# Allegro board SDHCalFEB.brd (continued)
## Placement (name value [footprint] x y rotation side) (continued)
U630  BAV99W SOT323  [BAV99W_SOT323]  191.66 116.39 270 top
U631  BAV99W SOT323  [BAV99W_SOT323]  193.95 109.03 0 top
U632  BAV99W SOT323  [BAV99W_SOT323]  254.62 124.71 90 top
U633  BAV99W SOT323  [BAV99W_SOT323]  247.05 125.22 90 top
U634  BAV99W SOT323  [BAV99W_SOT323]  240.2 119.75 0 top
U635  BAV99W SOT323  [BAV99W_SOT323]  198.26 119.76 270 top
U636  BAV99W SOT323  [BAV99W_SOT323]  183.72 108.57 180 top
U637  BAV99W SOT323  [BAV99W_SOT323]  192.25 100.75 0 top
U638  BAV99W SOT323  [BAV99W_SOT323]  203.7 107.35 0 top
U639  BAV99W SOT323  [BAV99W_SOT323]  197.35 103.74 270 top
U640  BAV99W SOT323  [BAV99W_SOT323]  208.23 99.76 0 top
U641  BAV99W SOT323  [BAV99W_SOT323]  208.23 109.77 0 top
U642  BAV99W SOT323  [BAV99W_SOT323]  216.71 99.78 0 top
U643  BAV99W SOT323  [BAV99W_SOT323]  226.72 99.78 0 top
U644  BAV99W SOT323  [BAV99W_SOT323]  238.22 99.76 0 top
U645  BAV99W SOT323  [BAV99W_SOT323]  248.23 99.78 0 top
U646  BAV99W SOT323  [BAV99W_SOT323]  248.25 109.76 270 top
U647  BAV99W SOT323  [BAV99W_SOT323]  240.67 112.18 180 top
U648  BAV99W SOT323  [BAV99W_SOT323]  230.66 112.18 180 top
U649  BAV99W SOT323  [BAV99W_SOT323]  225.64 112.21 90 top
U650  MICROROC  [CQFP160Z0650]  203.58 150.5 270 top
U651  BAV99W SOT323  [BAV99W_SOT323]  169.19 160.52 180 top
U652  BAV99W SOT323  [BAV99W_SOT323]  166.74 174.65 270 top
U653  BAV99W SOT323  [BAV99W_SOT323]  164.63 166.16 90 top
U654  BAV99W SOT323  [BAV99W_SOT323]  162.22 170.68 90 top
U655  BAV99W SOT323  [BAV99W_SOT323]  154.62 166.19 90 top
U656  BAV99W SOT323  [BAV99W_SOT323]  144.31 173.71 270 top
U657  BAV99W SOT323  [BAV99W_SOT323]  144.61 166.16 90 top
U658  BAV99W SOT323  [BAV99W_SOT323]  142.18 170.68 90 top
U659  BAV99W SOT323  [BAV99W_SOT323]  130.71 168.62 180 top
U660  BAV99W SOT323  [BAV99W_SOT323]  130.66 177.08 180 top
U661  BAV99W SOT323  [BAV99W_SOT323]  125.2 177.08 180 top
U662  BAV99W SOT323  [BAV99W_SOT323]  123.7 168.59 180 top
U663  BAV99W SOT323  [BAV99W_SOT323]  112.2 170.69 270 top
U664  BAV99W SOT323  [BAV99W_SOT323]  105.21 172.2 180 top
U665  BAV99W SOT323  [BAV99W_SOT323]  119.69 154.62 180 top
U666  BAV99W SOT323  [BAV99W_SOT323]  116.15 158.25 0 top
U667  BAV99W SOT323  [BAV99W_SOT323]  106.18 164.63 180 top
U668  BAV99W SOT323  [BAV99W_SOT323]  102.28 156.96 0 top
U669  BAV99W SOT323  [BAV99W_SOT323]  111.15 154.62 180 top
U670  BAV99W SOT323  [BAV99W_SOT323]  106.2 156.1 180 top
U671  BAV99W SOT323  [BAV99W_SOT323]  103.7 148.96 0 top
U672  BAV99W SOT323  [BAV99W_SOT323]  162.13 156.15 180 top
U673  BAV99W SOT323  [BAV99W_SOT323]  166.2 153.15 180 top
U674  BAV99W SOT323  [BAV99W_SOT323]  169.19 146.72 0 top
U675  BAV99W SOT323  [BAV99W_SOT323]  110.15 145.37 270 top
U676  BAV99W SOT323  [BAV99W_SOT323]  116.86 140.6 0 top
U677  BAV99W SOT323  [BAV99W_SOT323]  172.68 153.12 270 top
U678  BAV99W SOT323  [BAV99W_SOT323]  166.33 142.97 90 top
U679  BAV99W SOT323  [BAV99W_SOT323]  171.46 142.98 270 top
U680  BAV99W SOT323  [BAV99W_SOT323]  106.57 143.49 270 top
U681  BAV99W SOT323  [BAV99W_SOT323]  98.74 144.91 270 top
U682  BAV99W SOT323  [BAV99W_SOT323]  100.52 138.97 270 top
U683  BAV99W SOT323  [BAV99W_SOT323]  99.76 136.15 270 top
U684  BAV99W SOT323  [BAV99W_SOT323]  99.78 129.21 270 top
U685  BAV99W SOT323  [BAV99W_SOT323]  105.83 132.21 270 top
U686  BAV99W SOT323  [BAV99W_SOT323]  107.56 129.24 270 top
U687  BAV99W SOT323  [BAV99W_SOT323]  172.22 133.71 270 top
U688  BAV99W SOT323  [BAV99W_SOT323]  165.14 137.89 90 top
U689  BAV99W SOT323  [BAV99W_SOT323]  167.03 134.81 180 top
U690  BAV99W SOT323  [BAV99W_SOT323]  115.13 132.19 270 top
U691  BAV99W SOT323  [BAV99W_SOT323]  99.81 126.14 270 top
U692  BAV99W SOT323  [BAV99W_SOT323]  98.92 119.21 270 top
U693  BAV99W SOT323  [BAV99W_SOT323]  105.6 113.71 90 top
U694  BAV99W SOT323  [BAV99W_SOT323]  107.3 120.7 270 top
U695  BAV99W SOT323  [BAV99W_SOT323]  111.85 116.54 270 top
U696  BAV99W SOT323  [BAV99W_SOT323]  113.94 109.05 0 top
U697  BAV99W SOT323  [BAV99W_SOT323]  172.2 125.23 270 top
U698  BAV99W SOT323  [BAV99W_SOT323]  167.04 125.22 90 top
U699  BAV99W SOT323  [BAV99W_SOT323]  160.83 119.77 0 top
U700  BAV99W SOT323  [BAV99W_SOT323]  118.25 119.74 270 top
U701  BAV99W SOT323  [BAV99W_SOT323]  103.74 108.55 180 top
U702  BAV99W SOT323  [BAV99W_SOT323]  107.35 103.74 270 top
U703  BAV99W SOT323  [BAV99W_SOT323]  123.72 107.33 0 top
U704  BAV99W SOT323  [BAV99W_SOT323]  117.34 103.74 270 top
U705  BAV99W SOT323  [BAV99W_SOT323]  128.24 99.78 0 top
U706  BAV99W SOT323  [BAV99W_SOT323]  128.24 109.79 0 top
U707  BAV99W SOT323  [BAV99W_SOT323]  136.75 99.78 0 top
U708  BAV99W SOT323  [BAV99W_SOT323]  146.73 99.78 0 top
U709  BAV99W SOT323  [BAV99W_SOT323]  158.24 99.78 0 top
U710  BAV99W SOT323  [BAV99W_SOT323]  168.27 99.78 0 top
U711  BAV99W SOT323  [BAV99W_SOT323]  168.24 109.76 270 top
U712  BAV99W SOT323  [BAV99W_SOT323]  160.68 112.2 180 top
U713  BAV99W SOT323  [BAV99W_SOT323]  149.18 112.18 180 top
U714  BAV99W SOT323  [BAV99W_SOT323]  145.66 112.19 90 top
U715  MICROROC  [CQFP160Z0650]  123.57 150.5 270 top
U716  BAV99W SOT323  [BAV99W_SOT323]  89.18 160.54 180 top
U717  BAV99W SOT323  [BAV99W_SOT323]  86.78 174.63 270 top
U718  BAV99W SOT323  [BAV99W_SOT323]  84.62 166.14 90 top
U719  BAV99W SOT323  [BAV99W_SOT323]  82.18 170.68 90 top
U720  BAV99W SOT323  [BAV99W_SOT323]  74.61 166.16 90 top
U721  BAV99W SOT323  [BAV99W_SOT323]  66.73 176.11 180 top
U722  BAV99W SOT323  [BAV99W_SOT323]  64.63 166.16 90 top
U723  BAV99W SOT323  [BAV99W_SOT323]  62.19 170.68 90 top
U724  BAV99W SOT323  [BAV99W_SOT323]  52.2 168.57 180 top
U725  BAV99W SOT323  [BAV99W_SOT323]  50.65 177.08 180 top
U726  BAV99W SOT323  [BAV99W_SOT323]  43.72 177.05 180 top
U727  BAV99W SOT323  [BAV99W_SOT323]  42.22 168.57 180 top
U730  BAV99W SOT323  [BAV99W_SOT323]  39.7 154.62 180 top
U733  BAV99W SOT323  [BAV99W_SOT323]  35.04 156.56 90 top
U736  BAV99W SOT323  [BAV99W_SOT323]  27.42 157.71 270 top
U737  BAV99W SOT323  [BAV99W_SOT323]  82.43 156.15 180 top
U738  BAV99W SOT323  [BAV99W_SOT323]  86.19 153.15 180 top
U739  BAV99W SOT323  [BAV99W_SOT323]  90.66 151.65 180 top
U740  BAV99W SOT323  [BAV99W_SOT323]  26.23 154.58 90 top
U741  BAV99W SOT323  [BAV99W_SOT323]  18.73 156.04 270 top
U742  BAV99W SOT323  [BAV99W_SOT323]  92.65 154.94 270 top
U743  BAV99W SOT323  [BAV99W_SOT323]  82.2 148.04 180 top
U744  BAV99W SOT323  [BAV99W_SOT323]  89.78 143.21 270 top
U746  BAV99W SOT323  [BAV99W_SOT323]  26.57 141.24 180 top
U749  BAV99W SOT323  [BAV99W_SOT323]  26.77 133.74 0 top
U751  BAV99W SOT323  [BAV99W_SOT323]  19.44 118.29 270 top
U752  BAV99W SOT323  [BAV99W_SOT323]  93.15 136.13 180 top
U753  BAV99W SOT323  [BAV99W_SOT323]  84.61 137.66 180 top
U754  BAV99W SOT323  [BAV99W_SOT323]  89.71 127.83 0 top
U755  BAV99W SOT323  [BAV99W_SOT323]  26.91 118.28 90 top
U757  BAV99W SOT323  [BAV99W_SOT323]  27.37 115.27 270 top
U760  BAV99W SOT323  [BAV99W_SOT323]  34.86 116.35 90 top
U762  BAV99W SOT323  [BAV99W_SOT323]  92.24 123.73 270 top
U763  BAV99W SOT323  [BAV99W_SOT323]  87.08 123.72 90 top
U764  BAV99W SOT323  [BAV99W_SOT323]  80.95 119.8 0 top
U765  BAV99W SOT323  [BAV99W_SOT323]  38.27 119.74 270 top
U768  BAV99W SOT323  [BAV99W_SOT323]  43.71 107.35 0 top
U769  BAV99W SOT323  [BAV99W_SOT323]  37.35 103.74 270 top
U770  BAV99W SOT323  [BAV99W_SOT323]  48.23 99.78 0 top
U771  BAV99W SOT323  [BAV99W_SOT323]  48.23 109.79 0 top
U772  BAV99W SOT323  [BAV99W_SOT323]  58.24 99.78 0 top
U773  BAV99W SOT323  [BAV99W_SOT323]  68.22 99.78 0 top
U774  BAV99W SOT323  [BAV99W_SOT323]  78.23 99.78 0 top
U775  BAV99W SOT323  [BAV99W_SOT323]  88.24 99.78 0 top
U776  BAV99W SOT323  [BAV99W_SOT323]  88.28 109.76 270 top
U777  BAV99W SOT323  [BAV99W_SOT323]  80.67 112.18 180 top
U778  BAV99W SOT323  [BAV99W_SOT323]  69.19 112.18 180 top
U779  BAV99W SOT323  [BAV99W_SOT323]  65.62 112.19 90 top
U780  MICROROC  [CQFP160Z0650]  43.56 150.5 270 top
U781  BAV99W SOT323  [BAV99W_SOT323]  329.19 80.53 180 top
U782  BAV99W SOT323  [BAV99W_SOT323]  326.76 94.64 270 top
U783  BAV99W SOT323  [BAV99W_SOT323]  324.62 86.15 90 top
U784  BAV99W SOT323  [BAV99W_SOT323]  322.19 90.67 90 top
U785  BAV99W SOT323  [BAV99W_SOT323]  314.62 86.18 90 top
U786  BAV99W SOT323  [BAV99W_SOT323]  312.2 90.67 90 top
U787  BAV99W SOT323  [BAV99W_SOT323]  304.61 86.15 90 top
U788  BAV99W SOT323  [BAV99W_SOT323]  302.17 90.65 90 top
U789  BAV99W SOT323  [BAV99W_SOT323]  290.68 88.61 180 top
U790  BAV99W SOT323  [BAV99W_SOT323]  290.68 97.04 180 top
U791  BAV99W SOT323  [BAV99W_SOT323]  283.72 97.07 180 top
U792  BAV99W SOT323  [BAV99W_SOT323]  283.7 88.58 180 top
U793  BAV99W SOT323  [BAV99W_SOT323]  272.2 90.66 270 top
U794  BAV99W SOT323  [BAV99W_SOT323]  263.73 92.19 180 top
U795  BAV99W SOT323  [BAV99W_SOT323]  279.71 74.61 180 top
U796  BAV99W SOT323  [BAV99W_SOT323]  276.12 78.24 0 top
U797  BAV99W SOT323  [BAV99W_SOT323]  266.15 84.62 180 top
U798  BAV99W SOT323  [BAV99W_SOT323]  261.26 76.82 0 top
U799  BAV99W SOT323  [BAV99W_SOT323]  271.17 74.61 180 top
U800  BAV99W SOT323  [BAV99W_SOT323]  266.17 76.06 180 top
U801  BAV99W SOT323  [BAV99W_SOT323]  263.8 68.97 0 top
U802  BAV99W SOT323  [BAV99W_SOT323]  320.5 76.14 180 top
U803  BAV99W SOT323  [BAV99W_SOT323]  326.19 73.11 180 top
U804  BAV99W SOT323  [BAV99W_SOT323]  332.93 69.95 90 top
U805  BAV99W SOT323  [BAV99W_SOT323]  270.24 65.46 270 top
U806  BAV99W SOT323  [BAV99W_SOT323]  277.01 60.57 0 top
U807  BAV99W SOT323  [BAV99W_SOT323]  326.96 66.11 90 top
U808  BAV99W SOT323  [BAV99W_SOT323]  327.09 60.7 90 top
U809  BAV99W SOT323  [BAV99W_SOT323]  334.61 58.24 90 top
U810  BAV99W SOT323  [BAV99W_SOT323]  266.56 63.43 270 top
U811  BAV99W SOT323  [BAV99W_SOT323]  259.04 64.88 270 top
U812  BAV99W SOT323  [BAV99W_SOT323]  260.54 58.98 270 top
U813  BAV99W SOT323  [BAV99W_SOT323]  261.25 56.21 270 top
U815  BAV99W SOT323  [BAV99W_SOT323]  267.35 53.72 270 top
U820  BAV99W SOT323  [BAV99W_SOT323]  275.63 52.45 270 top
U821  BAV99W SOT323  [BAV99W_SOT323]  259.78 46.16 270 top
U824  BAV99W SOT323  [BAV99W_SOT323]  267.35 43.72 270 top
U830  BAV99W SOT323  [BAV99W_SOT323]  278.24 39.78 270 top
U831  BAV99W SOT323  [BAV99W_SOT323]  278.51 35.27 180 top
U832  BAV99W SOT323  [BAV99W_SOT323]  281.4 27.83 0 top
U833  BAV99W SOT323  [BAV99W_SOT323]  278.24 27.01 180 top
U834  BAV99W SOT323  [BAV99W_SOT323]  281.25 19.82 0 top
U835  BAV99W SOT323  [BAV99W_SOT323]  287.03 20.7 270 top
U836  BAV99W SOT323  [BAV99W_SOT323]  294.32 20.72 90 top
U837  BAV99W SOT323  [BAV99W_SOT323]  304.49 15.91 0 top
U838  BAV99W SOT323  [BAV99W_SOT323]  302.67 23.58 180 top
U839  BAV99W SOT323  [BAV99W_SOT323]  305.79 24.42 0 top
U840  BAV99W SOT323  [BAV99W_SOT323]  303.76 31.99 180 top
U845  MICROROC  [CQFP160Z0650]  283.59 70.49 270 top
U846  BAV99W SOT323  [BAV99W_SOT323]  249.18 80.53 180 top
U847  BAV99W SOT323  [BAV99W_SOT323]  246.75 94.64 270 top
U848  BAV99W SOT323  [BAV99W_SOT323]  244.61 86.15 90 top
U849  BAV99W SOT323  [BAV99W_SOT323]  242.18 90.67 90 top
U850  BAV99W SOT323  [BAV99W_SOT323]  234.61 86.15 90 top
U851  BAV99W SOT323  [BAV99W_SOT323]  232.19 90.67 90 top
U852  BAV99W SOT323  [BAV99W_SOT323]  224.62 86.15 90 top
U853  BAV99W SOT323  [BAV99W_SOT323]  222.19 90.67 90 top
U854  BAV99W SOT323  [BAV99W_SOT323]  212.2 88.58 180 top
U855  BAV99W SOT323  [BAV99W_SOT323]  210.7 97.07 180 top
U856  BAV99W SOT323  [BAV99W_SOT323]  203.71 97.07 180 top
U857  BAV99W SOT323  [BAV99W_SOT323]  202.21 88.58 180 top
U858  BAV99W SOT323  [BAV99W_SOT323]  192.21 90.66 270 top
U859  BAV99W SOT323  [BAV99W_SOT323]  185.2 92.19 180 top
U860  BAV99W SOT323  [BAV99W_SOT323]  199.7 74.61 180 top
U861  BAV99W SOT323  [BAV99W_SOT323]  196.13 78.24 0 top
U862  BAV99W SOT323  [BAV99W_SOT323]  186.16 84.62 180 top
U863  BAV99W SOT323  [BAV99W_SOT323]  183 76.85 0 top
U864  BAV99W SOT323  [BAV99W_SOT323]  191.19 74.59 180 top
U865  BAV99W SOT323  [BAV99W_SOT323]  186.19 76.11 180 top
U866  BAV99W SOT323  [BAV99W_SOT323]  182.27 68.85 0 top
U867  BAV99W SOT323  [BAV99W_SOT323]  240.14 76.14 180 top
U868  BAV99W SOT323  [BAV99W_SOT323]  246.21 73.11 180 top
U869  BAV99W SOT323  [BAV99W_SOT323]  254.11 70.68 90 top
U870  BAV99W SOT323  [BAV99W_SOT323]  189.88 65.41 270 top
U871  BAV99W SOT323  [BAV99W_SOT323]  197.35 60.69 0 top
U872  BAV99W SOT323  [BAV99W_SOT323]  252.34 66.72 90 top
U873  BAV99W SOT323  [BAV99W_SOT323]  242.37 65.42 180 top
U874  BAV99W SOT323  [BAV99W_SOT323]  252.92 62.96 90 top
U875  BAV99W SOT323  [BAV99W_SOT323]  186.55 63.45 270 top
U876  BAV99W SOT323  [BAV99W_SOT323]  179.06 64.67 270 top
U877  BAV99W SOT323  [BAV99W_SOT323]  180.53 58.98 270 top
U878  BAV99W SOT323  [BAV99W_SOT323]  181.27 56.19 270 top
U880  BAV99W SOT323  [BAV99W_SOT323]  187.36 53.72 270 top
U885  BAV99W SOT323  [BAV99W_SOT323]  195.03 52.76 270 top
U886  BAV99W SOT323  [BAV99W_SOT323]  179.79 46.16 270 top
U889  BAV99W SOT323  [BAV99W_SOT323]  187.36 43.72 270 top
U895  BAV99W SOT323  [BAV99W_SOT323]  198.26 39.78 270 top
U896  BAV99W SOT323  [BAV99W_SOT323]  198.58 35.19 180 top
U897  BAV99W SOT323  [BAV99W_SOT323]  197.61 27.7 0 top
U898  BAV99W SOT323  [BAV99W_SOT323]  200.61 26.86 180 top
U899  BAV99W SOT323  [BAV99W_SOT323]  199.06 19.27 0 top
U900  BAV99W SOT323  [BAV99W_SOT323]  206.87 21.31 270 top
U901  BAV99W SOT323  [BAV99W_SOT323]  214.46 21.33 90 top
U902  BAV99W SOT323  [BAV99W_SOT323]  224.3 16.52 0 top
U903  BAV99W SOT323  [BAV99W_SOT323]  222.33 24.14 180 top
U904  BAV99W SOT323  [BAV99W_SOT323]  225.29 24.6 0 top
U905  BAV99W SOT323  [BAV99W_SOT323]  223.14 32.09 180 top
U910  MICROROC  [CQFP160Z0650]  203.58 70.49 270 top
U911  BAV99W SOT323  [BAV99W_SOT323]  169.19 80.56 180 top
U912  BAV99W SOT323  [BAV99W_SOT323]  166.79 94.64 270 top
U913  BAV99W SOT323  [BAV99W_SOT323]  164.6 86.18 90 top
U914  BAV99W SOT323  [BAV99W_SOT323]  162.19 90.67 90 top
U915  BAV99W SOT323  [BAV99W_SOT323]  154.62 86.13 90 top
U916  BAV99W SOT323  [BAV99W_SOT323]  152.16 90.67 90 top
U917  BAV99W SOT323  [BAV99W_SOT323]  144.59 86.15 90 top
U918  BAV99W SOT323  [BAV99W_SOT323]  142.15 90.67 90 top
U919  BAV99W SOT323  [BAV99W_SOT323]  132.21 88.58 180 top
U920  BAV99W SOT323  [BAV99W_SOT323]  130.66 97.07 180 top
U921  BAV99W SOT323  [BAV99W_SOT323]  123.73 97.04 180 top
U922  BAV99W SOT323  [BAV99W_SOT323]  122.2 88.56 180 top
U923  BAV99W SOT323  [BAV99W_SOT323]  112.23 90.68 270 top
U924  BAV99W SOT323  [BAV99W_SOT323]  105.21 92.19 180 top
U925  BAV99W SOT323  [BAV99W_SOT323]  119.71 74.64 180 top
U926  BAV99W SOT323  [BAV99W_SOT323]  116.12 78.24 0 top
U927  BAV99W SOT323  [BAV99W_SOT323]  106.15 84.59 180 top
U928  BAV99W SOT323  [BAV99W_SOT323]  101.44 76.9 0 top
U929  BAV99W SOT323  [BAV99W_SOT323]  111.18 74.59 180 top
U930  BAV99W SOT323  [BAV99W_SOT323]  104.68 76.06 180 top
U931  BAV99W SOT323  [BAV99W_SOT323]  102.28 68.9 0 top
U932  BAV99W SOT323  [BAV99W_SOT323]  161.29 76.14 180 top
U933  BAV99W SOT323  [BAV99W_SOT323]  166.17 73.11 180 top
U934  BAV99W SOT323  [BAV99W_SOT323]  174.1 70.68 90 top
U935  BAV99W SOT323  [BAV99W_SOT323]  110.12 65.43 270 top
U936  BAV99W SOT323  [BAV99W_SOT323]  117.47 60.62 0 top
U937  BAV99W SOT323  [BAV99W_SOT323]  169.66 66.8 90 top
U938  BAV99W SOT323  [BAV99W_SOT323]  166.33 62.99 90 top
U939  BAV99W SOT323  [BAV99W_SOT323]  174.84 62.99 90 top
U940  BAV99W SOT323  [BAV99W_SOT323]  106.57 63.45 270 top
U941  BAV99W SOT323  [BAV99W_SOT323]  99.07 64.77 270 top
U942  BAV99W SOT323  [BAV99W_SOT323]  100.55 58.98 270 top
U943  BAV99W SOT323  [BAV99W_SOT323]  101.26 54.69 270 top
U945  BAV99W SOT323  [BAV99W_SOT323]  107.35 53.72 270 top
U950  BAV99W SOT323  [BAV99W_SOT323]  115.71 52.1 270 top
U951  BAV99W SOT323  [BAV99W_SOT323]  99.78 46.16 270 top
U954  BAV99W SOT323  [BAV99W_SOT323]  107.35 43.72 270 top
U960  BAV99W SOT323  [BAV99W_SOT323]  118.28 39.78 270 top
U961  BAV99W SOT323  [BAV99W_SOT323]  118.95 34.79 180 top
U962  BAV99W SOT323  [BAV99W_SOT323]  117.62 27.32 0 top
U963  BAV99W SOT323  [BAV99W_SOT323]  120.53 26 180 top
U964  BAV99W SOT323  [BAV99W_SOT323]  119.05 18.55 0 top
U965  BAV99W SOT323  [BAV99W_SOT323]  126.78 19.71 270 top
U966  BAV99W SOT323  [BAV99W_SOT323]  134.25 19.78 90 top
U967  BAV99W SOT323  [BAV99W_SOT323]  141.91 16.14 0 top
U968  BAV99W SOT323  [BAV99W_SOT323]  141.81 23.56 180 top
U969  BAV99W SOT323  [BAV99W_SOT323]  144.67 24.83 0 top
U970  BAV99W SOT323  [BAV99W_SOT323]  143.44 32.27 180 top
U975  MICROROC  [CQFP160Z0650]  123.57 70.49 270 top
U976  BAV99W SOT323  [BAV99W_SOT323]  89.18 80.53 180 top
U977  BAV99W SOT323  [BAV99W_SOT323]  86.75 94.64 270 top
U978  BAV99W SOT323  [BAV99W_SOT323]  84.59 86.15 90 top
U979  BAV99W SOT323  [BAV99W_SOT323]  82.16 90.67 90 top
U980  BAV99W SOT323  [BAV99W_SOT323]  74.61 86.13 90 top
U981  BAV99W SOT323  [BAV99W_SOT323]  72.17 90.67 90 top
U982  BAV99W SOT323  [BAV99W_SOT323]  64.6 86.13 90 top
U983  BAV99W SOT323  [BAV99W_SOT323]  62.17 90.65 90 top
U984  BAV99W SOT323  [BAV99W_SOT323]  52.2 88.58 180 top
U985  BAV99W SOT323  [BAV99W_SOT323]  50.68 97.04 180 top
U986  BAV99W SOT323  [BAV99W_SOT323]  43.72 97.07 180 top
U987  BAV99W SOT323  [BAV99W_SOT323]  42.19 88.58 180 top
U990  BAV99W SOT323  [BAV99W_SOT323]  39.2 77.05 180 top
U993  BAV99W SOT323  [BAV99W_SOT323]  29.34 74.56 180 top
U996  BAV99W SOT323  [BAV99W_SOT323]  29.41 67.09 0 top
U997  BAV99W SOT323  [BAV99W_SOT323]  79.94 76.14 180 top
U998  BAV99W SOT323  [BAV99W_SOT323]  86.19 73.11 180 top
U999  BAV99W SOT323  [BAV99W_SOT323]  94.12 70.68 90 top
U1000  BAV99W SOT323  [BAV99W_SOT323]  32.16 66.15 180 top
U1001  BAV99W SOT323  [BAV99W_SOT323]  32.23 58.79 0 top
U1002  BAV99W SOT323  [BAV99W_SOT323]  89.19 66.75 90 top
U1003  BAV99W SOT323  [BAV99W_SOT323]  86.32 62.96 90 top
U1004  BAV99W SOT323  [BAV99W_SOT323]  94.83 62.99 90 top
U1006  BAV99W SOT323  [BAV99W_SOT323]  29.21 57.49 180 top
U1010  BAV99W SOT323  [BAV99W_SOT323]  29.18 50.05 0 top
U1025  BAV99W SOT323  [BAV99W_SOT323]  38.24 39.78 270 top
U1026  BAV99W SOT323  [BAV99W_SOT323]  38.66 34.96 180 top
U1027  BAV99W SOT323  [BAV99W_SOT323]  37.36 27.57 0 top
U1028  BAV99W SOT323  [BAV99W_SOT323]  40.54 26.43 180 top
U1029  BAV99W SOT323  [BAV99W_SOT323]  40.48 18.94 0 top
U1030  BAV99W SOT323  [BAV99W_SOT323]  46.95 20.45 270 top
U1031  BAV99W SOT323  [BAV99W_SOT323]  54.14 20.44 90 top
U1032  BAV99W SOT323  [BAV99W_SOT323]  62.91 16.19 0 top
U1033  BAV99W SOT323  [BAV99W_SOT323]  61.27 23.71 180 top
U1034  BAV99W SOT323  [BAV99W_SOT323]  64.21 24.8 0 top
U1035  BAV99W SOT323  [BAV99W_SOT323]  62.92 32.25 180 top
U1040  MICROROC  [CQFP160Z0650]  43.56 70.49 270 top
U1041  REF3212  [REF3212_SOT23]  265.04 345.77 0 top
U1042  BAV99W SOT323  [BAV99W_SOT323]  212.98 347.97 180 top
U1043  TS5A3166  [TS5A3166DBVR_SOT23]  215.12 342.72 270 top
U1044  TLV5618A SOIC  [TLV5618_SOIC]  269.38 351.18 270 top
U1045  LM6142 SOIC  [LM6142_SOIC]  241.26 350.1 90 top
U1046  TS5A3166  [TS5A3166DBVR_SOT23]  214.7 355.32 90 top
U1047  BAV99W SOT323  [BAV99W_SOT323]  211.79 354.98 180 top
U1048  AD8062 MSOP  [AD8062_MSOP]  196.37 349.95 90 top
U1050  74ACT11244  [74ACT11244_TSSOP]  349.95 200.75 0 top
U1051  74ACT11244  [74ACT11244_TSSOP]  349.95 192.16 0 top
U1052  74ACT11244  [74ACT11244_TSSOP]  350.35 136.46 0 top
U1053  74ACT11244  [74ACT11244_TSSOP]  350.35 127.34 0 top
U1054  DS91M125  [DS91M125TMA_SOIC]  349.99 146.96 180 top
U1055  DS91M125  [DS91M125TMA_SOIC]  349.99 170.08 180 top
U1056  DS91M125  [DS91M125TMA_SOIC]  349.99 158.32 180 top
U1057  DS91M125  [DS91M125TMA_SOIC]  349.99 181.84 180 top
U1058  AGD704  [ADG704_MSOIC]  351.94 328.76 270 top
U1060  SN74LV08A  [SN74LV08A_TSSOP]  84.91 341.57 0 top
U1061  ADG708  [ADG708_TSSOP]  136.96 342.48 180 top
U1062  AGD704  [ADG704_MSOIC]  355.32 244.61 270 top
U1064  SN74LV08A  [SN74LV08A_TSSOP]  85.22 348.78 0 top
U1065  AGD704  [ADG704_MSOIC]  355.68 213.53 270 top
U1067  ADG708  [ADG708_TSSOP]  136.88 349.42 180 top
U1068  SN74LV08A  [SN74LV08A_TSSOP]  85.45 355.51 0 top
U1069  AGD704  [ADG704_MSOIC]  356.56 117.31 315 top
U1071  ADG708  [ADG708_TSSOP]  136.86 357.04 180 top
U1073  ADG704  [ADG704_MSOIC]  377.47 219.85 270 top
U1076  -  [TPS7A85]  380.11 102.92 0 top
U1077  -  [TPS7A85]  381.46 285.45 0 top
U1078  ADA4891-4  [ADA4891-4-TSSOP]  347.93 326.26 90 top
U1079  ADA4891-4  [ADA4891-4-TSSOP]  352.25 242.36 90 top
U1080  ADA4891-4  [ADA4891-4-TSSOP]  352.5 211.22 90 top
U1081  ADA4891-4  [ADA4891-4-TSSOP]  355.96 113.37 135 top
U1082  SN74LV08A  [SN74LV08A_TSSOP]  109.5 349.5 90 top

## Library data of the parts
C1-C83 C88-C170 C175-C257 C262-C273 C276 C279 C282-C290 C292 C295 C297-C301 C303 C306 C308-C311 C314-C344 C349-C431 C436-C518 C523-C605 C610-C621 C624 C627 C630-C638 C640 C643 C645-C649 C651 C654 C656-C659 C662-C692 C697-C779 C784-C866 C871-C953 C958-C969 C972 C975 C978-C986 C988 C991 C993-C997 C999 C1002 C1004-C1007 C1010-C1040 C1045-C1077 C1079 C1084 C1085 C1088 C1094-C1104 C1109-C1127 C1132-C1164 C1166 C1171 C1172 C1175 C1181-C1191 C1196-C1214 C1219-C1251 C1253 C1258 C1259 C1262 C1268-C1278 C1283-C1301 C1306-C1317 C1320 C1323 C1326-C1334 C1336 C1340 C1355-C1365 C1370-C1388 C1393 C1395-C1402 C1410-C1417 C1422-C1425 C1430-C1445 C1459 C1464 C1467 C1468 C1472 C1475-C1480 C1485 C1488 = Capacitor np
C84-C87 C171-C174 C258-C261 C345-C348 C432-C435 C519-C522 C606-C609 C693-C696 C780-C783 C867-C870 C954-C957 C1041-C1044 C1128-C1131 C1215-C1218 C1302-C1305 C1389-C1392 C1394 C1403-C1407 C1418-C1421 C1426-C1429 C1446-C1458 C1460 C1465 C1473 C1481-C1484 C1486 C1487 = Capacitor pol
C1461-C1463 C1469-C1471 = CAP NP
C1466 C1474 = C
D1-D4 D6-D8 = LED
G1-G4 = GemGndPad
J1-J32 J36-J54 J56-J68 = LEMO
J33-J35 = CONN_1
J55 = 4 HEADER
L1-L3 = Inductor
M1 M2 = MECH_HOLE_3MM_Plated
P1 = Pad30x30V2
R1-R72 R77-R155 R168-R238 R251-R262 R265 R268 R271-R279 R281 R284 R286-R290 R292 R295 R297-R300 R303-R325 R334-R405 R410-R488 R501-R571 R584-R595 R598 R601 R604-R612 R614 R617 R619-R623 R625 R628 R630-R633 R636-R658 R667-R734 R736-R738 R743-R821 R834-R904 R917-R928 R931 R934 R937-R945 R947 R950 R952-R956 R958 R961 R963-R966 R969-R991 R1000-R1032 R1034 R1039 R1040 R1043 R1049-R1059 R1064-R1068 R1070 R1071 R1076-R1116 R1118 R1123 R1124 R1127 R1133-R1143 R1148-R1154 R1167-R1199 R1201 R1206 R1207 R1210 R1216-R1226 R1231-R1237 R1250-R1261 R1264 R1267 R1270-R1278 R1280 R1284 R1299-R1309 R1314-R1324 R1333-R1344 R1384-R1586 R1588-R1590 R1592-R1594 R1596-R1598 R1600-R1602 R1604-R1606 R1608-R1610 R1612-R1614 R1616-R1618 R1620-R1622 R1624-R1626 R1628-R1630 R1632-R1634 R1636 R1640-R1846 R1848-R1850 R1852-R1854 R1856-R1858 R1860-R1862 R1864-R1866 R1868-R1870 R1872-R1874 R1876-R1878 R1880-R1882 R1884-R1886 R1888-R1890 R1892-R1894 R1896-R1898 R1900 R1901 R1904-R2109 R2111-R2113 R2115-R2117 R2119-R2121 R2123-R2125 R2127-R2129 R2131-R2133 R2135-R2137 R2139-R2141 R2143-R2145 R2147-R2149 R2151-R2153 R2155-R2157 R2159-R2161 R2163-R2165 R2168-R2328 R2330-R2332 R2334-R2336 R2338-R2340 R2342-R2344 R2346-R2348 R2350-R2352 R2354-R2356 R2358-R2360 R2362-R2364 R2476 R2477 R2480 R2481 R2484 R2485 R2512-R2544 R2557-R2630 = Resistor
R1345-R1364 = R
R1365-R1374 = R: signal model: DEFAULT_RESISTOR_100.000000OHM_1_2
TP1 TP2 TP6 TP7 TP12 TP13 TP21 TP22 TP26 TP27 TP32 TP33 TP37 TP38 TP43 TP44 TP48 TP49 TP54 TP55 TP59 TP60 TP65 TP66 TP70 TP71 TP76 TP77 TP81 TP82 TP87 TP88 TP92 TP93 TP98 TP99 TP103 TP104 TP109 TP110 TP114 TP115 TP120-TP123 TP131-TP134 TP142 TP143 TP147 TP148 TP153 TP154 TP158 TP159 TP164-TP167 TP175 TP176 = TestPadGnd
TP3-TP5 TP14-TP16 TP23-TP25 TP34-TP36 TP45-TP47 TP56-TP58 TP67-TP69 TP78-TP80 TP89-TP91 TP100-TP102 TP111-TP113 TP124-TP126 TP135-TP137 TP144-TP146 TP155-TP157 TP168-TP170 = TestPad
U1-U64 U66-U129 U131-U194 U196-U207 U210 U213 U216-U224 U226 U229 U231-U235 U237 U240 U242-U245 U248-U259 U261-U324 U326-U389 U391-U454 U456-U467 U470 U473 U476-U484 U486 U489 U491-U495 U497 U500 U502-U505 U508-U519 U521-U584 U586-U649 U651-U714 U716-U727 U730 U733 U736-U744 U746 U749 U751-U755 U757 U760 U762-U765 U768-U779 U781-U813 U815 U820 U821 U824 U830-U840 U846-U878 U880 U885 U886 U889 U895-U905 U911-U943 U945 U950 U951 U954 U960-U970 U976-U987 U990 U993 U996-U1004 U1006 U1010 U1025-U1035 U1042 U1047 = BAV99W_SOT323
U65 U130 U195 U260 U325 U390 U455 U520 U585 U650 U715 U780 U845 U910 U975 U1040 = MICROROC
U1041 = REF3212
U1043 U1046 = TS5A3116
U1044 = TLV5618_SOIC
U1045 = LM6142_SOIC
U1048 = AD8062_MSOP
U1050-U1053 = 74ACT11244
U1054-U1057 = DS91M125
U1058 U1062 U1065 U1069 U1073 = ADG704
U1060 U1064 U1068 U1082 = SN74LV08A
U1061 U1067 U1071 = ADG708
U1076 U1077 = TPS7A85_0
U1078-U1081 = ADA4891-4

## Footprints (pads in the part's own frame, mm; a bottom-side part is the same pattern mirrored in y, then rotated)
74ACT11244_TSSOP
  rect 1.6x0.305 smd: 1(-2.8,3.576) 2(-2.8,2.926) 3(-2.8,2.276) 4(-2.8,1.626) 5(-2.8,0.975) 6(-2.8,0.325) 7(-2.8,-0.325) 8(-2.8,-0.975) 9(-2.8,-1.626) 10(-2.8,-2.276) 11(-2.8,-2.926) 12(-2.8,-3.576) 13(2.8,-3.576) 14(2.8,-2.926) 15(2.8,-2.276) 16(2.8,-1.626) 17(2.8,-0.975) 18(2.8,-0.325) 19(2.8,0.325) 20(2.8,0.975) 21(2.8,1.626) 22(2.8,2.276) 23(2.8,2.926) 24(2.8,3.576)
AD8062_MSOP
  rect 1.219x0.406 smd: 1(-2.449,0.975) 2(-2.449,0.325) 3(-2.449,-0.325) 4(-2.449,-0.975) 5(2.449,-0.975) 6(2.449,-0.325) 7(2.449,0.325) 8(2.449,0.975)
ADA4891-4-TSSOP
  rect 1.5x0.3 smd: 1(-1.05,4.45) 2(-1.05,3.8) 3(-1.05,3.15) 4(-1.05,2.5) 5(-1.05,1.85) 6(-1.05,1.2) 7(-1.05,0.55) 8(5.45,0.55) 9(5.45,1.2) 10(5.45,1.85) 11(5.45,2.5) 12(5.45,3.15) 13(5.45,3.8) 14(5.45,4.45)
ADG704_MSOIC
  rect 1.778x0.33 smd: 1(-2.045,1) 2(-2.045,0.5) 3(-2.045,0) 4(-2.045,-0.5) 5(-2.045,-1) 6(2.045,-1) 7(2.045,-0.5) 8(2.045,0) 9(2.045,0.5) 10(2.045,1)
ADG708_TSSOP
  rect 1.473x0.356 smd: 1(-2.819,2.275) 2(-2.819,1.625) 3(-2.819,0.975) 4(-2.819,0.325) 5(-2.819,-0.325) 6(-2.819,-0.975) 7(-2.819,-1.625) 8(-2.819,-2.275) 9(2.819,-2.275) 10(2.819,-1.625) 11(2.819,-0.975) 12(2.819,-0.325) 13(2.819,0.325) 14(2.819,0.975) 15(2.819,1.625) 16(2.819,2.275)
BAV99W_SOT323
  rect 0.457x1.168 smd: 1(-0.65,-0.876) 2(0.65,-0.876) 3(0,0.876)
CQFP160Z0650
  rect 0.33x1.6 smd: 1(0,0) 2(0.65,0) 3(1.3,0) 4(1.95,0) 5(2.6,0) 6(3.25,0) 7(3.9,0) 8(4.55,0) 9(5.2,0) 10(5.85,0) 11(6.5,0) 12(7.15,0) 13(7.8,0) 14(8.45,0) 15(9.1,0) 16(9.75,0) 17(10.4,0) 18(11.05,0) 19(11.7,0) 20(12.35,0) 21(13,0) 22(13.65,0) 23(14.3,0) 24(14.95,0) 25(15.6,0) 26(16.25,0) 27(16.9,0) 28(17.55,0) 29(18.2,0) 30(18.85,0) 31(19.5,0) 32(20.15,0) 33(20.8,0) 34(21.45,0) 35(22.1,0) 36(22.75,0) 37(23.4,0) 38(24.05,0) 39(24.7,0) 40(25.35,0) 81(25.35,31) 82(24.7,31) 83(24.05,31) 84(23.4,31) 85(22.75,31) 86(22.1,31) 87(21.45,31) 88(20.8,31) 89(20.15,31) 90(19.5,31) 91(18.85,31) 92(18.2,31) 93(17.55,31) 94(16.9,31) 95(16.25,31) 96(15.6,31) 97(14.95,31) 98(14.3,31) 99(13.65,31) 100(13,31) 101(12.35,31) 102(11.7,31) 103(11.05,31) 104(10.4,31) 105(9.75,31) 106(9.1,31) 107(8.45,31) 108(7.8,31) 109(7.15,31) 110(6.5,31) 111(5.85,31) 112(5.2,31) 113(4.55,31) 114(3.9,31) 115(3.25,31) 116(2.6,31) 117(1.95,31) 118(1.3,31) 119(0.65,31) 120(0,31)
  rect 1.6x0.33 smd: 41(28.175,2.825) 42(28.175,3.475) 43(28.175,4.125) 44(28.175,4.775) 45(28.175,5.425) 46(28.175,6.075) 47(28.175,6.725) 48(28.175,7.375) 49(28.175,8.025) 50(28.175,8.675) 51(28.175,9.325) 52(28.175,9.975) 53(28.175,10.625) 54(28.175,11.275) 55(28.175,11.925) 56(28.175,12.575) 57(28.175,13.225) 58(28.175,13.875) 59(28.175,14.525) 60(28.175,15.175) 61(28.175,15.825) 62(28.175,16.475) 63(28.175,17.125) 64(28.175,17.775) 65(28.175,18.425) 66(28.175,19.075) 67(28.175,19.725) 68(28.175,20.375) 69(28.175,21.025) 70(28.175,21.675) 71(28.175,22.325) 72(28.175,22.975) 73(28.175,23.625) 74(28.175,24.275) 75(28.175,24.925) 76(28.175,25.575) 77(28.175,26.225) 78(28.175,26.875) 79(28.175,27.525) 80(28.175,28.175) 121(-2.825,28.175) 122(-2.825,27.525) 123(-2.825,26.875) 124(-2.825,26.225) 125(-2.825,25.575) 126(-2.825,24.925) 127(-2.825,24.275) 128(-2.825,23.625) 129(-2.825,22.975) 130(-2.825,22.325) 131(-2.825,21.675) 132(-2.825,21.025) 133(-2.825,20.375) 134(-2.825,19.725) 135(-2.825,19.075) 136(-2.825,18.425) 137(-2.825,17.775) 138(-2.825,17.125) 139(-2.825,16.475) 140(-2.825,15.825) 141(-2.825,15.175) 142(-2.825,14.525) 143(-2.825,13.875) 144(-2.825,13.225) 145(-2.825,12.575) 146(-2.825,11.925) 147(-2.825,11.275) 148(-2.825,10.625) 149(-2.825,9.975) 150(-2.825,9.325) 151(-2.825,8.675) 152(-2.825,8.025) 153(-2.825,7.375) 154(-2.825,6.725) 155(-2.825,6.075) 156(-2.825,5.425) 157(-2.825,4.775) 158(-2.825,4.125) 159(-2.825,3.475) 160(-2.825,2.825)
DS91M125TMA_SOIC
  rect 1.981x0.559 smd: 1(-2.464,4.445) 2(-2.464,3.175) 3(-2.464,1.905) 4(-2.464,0.635) 5(-2.464,-0.635) 6(-2.464,-1.905) 7(-2.464,-3.175) 8(-2.464,-4.445) 9(2.464,-4.445) 10(2.464,-3.175) 11(2.464,-1.905) 12(2.464,-0.635) 13(2.464,0.635) 14(2.464,1.905) 15(2.464,3.175) 16(2.464,4.445)
ERNI154744FEMALECONNECTOR
  rect 2.7x1.199 smd: 1(-0.635,2.41) 2(4.765,2.41) 3(-0.635,-51.94) 4(4.765,-51.94)
  round 1.801 hole 1.6: 5(2,2.21) 6(2,-51.74)
  rect 0.8x0.8 smd: A1(0,-49.53) A2(0,-48.26) A3(0,-46.99) A4(0,-45.72) A5(0,-44.45) A6(0,-43.18) A7(0,-41.91) A8(0,-40.64) A9(0,-39.37) A10(0,-38.1) A11(0,-36.83) A12(0,-35.56) A13(0,-34.29) A14(0,-33.02) A15(0,-31.75) A16(0,-30.48) A17(0,-29.21) A18(0,-27.94) A19(0,-26.67) A20(0,-25.4) A21(0,-24.13) A22(0,-22.86) A23(0,-21.59) A24(0,-20.32) A25(0,-19.05) A26(0,-17.78) A27(0,-16.51) A28(0,-15.24) A29(0,-13.97) A30(0,-12.7) A31(0,-11.43) A32(0,-10.16) A33(0,-8.89) A34(0,-7.62) A35(0,-6.35) A36(0,-5.08) A37(0,-3.81) A38(0,-2.54) A39(0,-1.27) A40(0,0) B1(-1.27,-49.53) B2(-1.27,-48.26) B3(-1.27,-46.99) B4(-1.27,-45.72) B5(-1.27,-44.45) B6(-1.27,-43.18) B7(-1.27,-41.91) B8(-1.27,-40.64) B9(-1.27,-39.37) B10(-1.27,-38.1) B11(-1.27,-36.83) B12(-1.27,-35.56) B13(-1.27,-34.29) B14(-1.27,-33.02) B15(-1.27,-31.75) B16(-1.27,-30.48) B17(-1.27,-29.21) B18(-1.27,-27.94) B19(-1.27,-26.67) B20(-1.27,-25.4) B21(-1.27,-24.13) B22(-1.27,-22.86) B23(-1.27,-21.59) B24(-1.27,-20.32) B25(-1.27,-19.05) B26(-1.27,-17.78) B27(-1.27,-16.51) B28(-1.27,-15.24) B29(-1.27,-13.97) B30(-1.27,-12.7) B31(-1.27,-11.43) B32(-1.27,-10.16) B33(-1.27,-8.89) B34(-1.27,-7.62) B35(-1.27,-6.35) B36(-1.27,-5.08) B37(-1.27,-3.81) B38(-1.27,-2.54) B39(-1.27,-1.27) B40(-1.27,0)
GEMGNDPAD
  round 2.286 smd: 1(0,0)
LM6142_SOIC
  rect 1.981x0.559 smd: 1(-2.464,1.905) 2(-2.464,0.635) 3(-2.464,-0.635) 4(-2.464,-1.905) 5(2.464,-1.905) 6(2.464,-0.635) 7(2.464,0.635) 8(2.464,1.905)
MECH_HOLE_3_2MM_PLATED
  round 4.47 hole 3.2: 1(0,0)
PADREADOUTARRAY1V1
  rect 9.6x9.6 smd: A1(5,295) A2(15,295) A3(25,295) A4(35,295) A5(45,295) A6(55,295) A7(65,295) A8(75,295) A9(85,295) A10(95,295) A11(105,295) A12(115,295) A13(125,295) A14(135,295) A15(145,295) A16(155,295) A17(165,295) A18(175,295) A19(185,295) A20(195,295) A21(205,295) A22(215,295) A23(225,295) A24(235,295) A25(245,295) A26(255,295) A27(265,295) A28(275,295) A29(285,295) A30(295,295) AA1(5,65) AA2(15,65) AA3(25,65) AA4(35,65) AA5(45,65) AA6(55,65) AA7(65,65) AA8(75,65) AA9(85,65) AA10(95,65) AA11(105,65) AA12(115,65) AA13(125,65) AA14(135,65) AA15(145,65) AA16(155,65) AA17(165,65) AA18(175,65) AA19(185,65) AA20(195,65) AA21(205,65) AA22(215,65) AA23(225,65) AA24(235,65) AA25(245,65) AA26(255,65) AA27(265,65) AA28(275,65) AA29(285,65) AA30(295,65) AB1(5,55) AB2(15,55) AB3(25,55) AB4(35,55) AB5(45,55) AB6(55,55) AB7(65,55) AB8(75,55) AB9(85,55) AB10(95,55) AB11(105,55) AB12(115,55) AB13(125,55) AB14(135,55) AB15(145,55) AB16(155,55) AB17(165,55) AB18(175,55) AB19(185,55) AB20(195,55) AB21(205,55) AB22(215,55) AB23(225,55) AB24(235,55) AB25(245,55) AB26(255,55) AB27(265,55) AB28(275,55) AB29(285,55) AB30(295,55) AC1(5,45) AC2(15,45) AC3(25,45) AC4(35,45) AC5(45,45) AC6(55,45) AC7(65,45) AC8(75,45) AC9(85,45) AC10(95,45) AC11(105,45) AC12(115,45) AC13(125,45) AC14(135,45) AC15(145,45) AC16(155,45) AC17(165,45) AC18(175,45) AC19(185,45) AC20(195,45) AC21(205,45) AC22(215,45) AC23(225,45) AC24(235,45) AC25(245,45) AC26(255,45) AC27(265,45) AC28(275,45) AC29(285,45) AC30(295,45) AD1(5,35) AD2(15,35) AD3(25,35) AD4(35,35) AD5(45,35) AD6(55,35) AD7(65,35) AD8(75,35) AD9(85,35) AD10(95,35) AD11(105,35) AD12(115,35) AD13(125,35) AD14(135,35) AD15(145,35) AD16(155,35) AD17(165,35) AD18(175,35) AD19(185,35) AD20(195,35) AD21(205,35) AD22(215,35) AD23(225,35) AD24(235,35) AD25(245,35) AD26(255,35) AD27(265,35) AD28(275,35) AD29(285,35) AD30(295,35) AE1(5,25) AE2(15,25) AE3(25,25) AE4(35,25) AE5(45,25) AE6(55,25) AE7(65,25) AE8(75,25) AE9(85,25) AE10(95,25) AE11(105,25) AE12(115,25) AE13(125,25) AE14(135,25) AE15(145,25) AE16(155,25) AE17(165,25) AE18(175,25) AE19(185,25) AE20(195,25) AE21(205,25) AE22(215,25) AE23(225,25) AE24(235,25) AE25(245,25) AE26(255,25) AE27(265,25) AE28(275,25) AE29(285,25) AE30(295,25) AF1(5,15) AF2(15,15) AF3(25,15) AF4(35,15) AF5(45,15) AF6(55,15) AF7(65,15) AF8(75,15) AF9(85,15) AF10(95,15) AF11(105,15) AF12(115,15) AF13(125,15) AF14(135,15) AF15(145,15) AF16(155,15) AF17(165,15) AF18(175,15) AF19(185,15) AF20(195,15) AF21(205,15) AF22(215,15) AF23(225,15) AF24(235,15) AF25(245,15) AF26(255,15) AF27(265,15) AF28(275,15) AF29(285,15) AF30(295,15) AG1(5,5) AG2(15,5) AG3(25,5) AG4(35,5) AG5(45,5) AG6(55,5) AG7(65,5) AG8(75,5) AG9(85,5) AG10(95,5) AG11(105,5) AG12(115,5) AG13(125,5) AG14(135,5) AG15(145,5) AG16(155,5) AG17(165,5) AG18(175,5) AG19(185,5) AG20(195,5) AG21(205,5) AG22(215,5) AG23(225,5) AG24(235,5) AG25(245,5) AG26(255,5) AG27(265,5) AG28(275,5) AG29(285,5) AG30(295,5) B1(5,285) B2(15,285) B3(25,285) B4(35,285) B5(45,285) B6(55,285) B7(65,285) B8(75,285) B9(85,285) B10(95,285) B11(105,285) B12(115,285) B13(125,285) B14(135,285) B15(145,285) B16(155,285) B17(165,285) B18(175,285) B19(185,285) B20(195,285) B21(205,285) B22(215,285) B23(225,285) B24(235,285) B25(245,285) B26(255,285) B27(265,285) B28(275,285) B29(285,285) B30(295,285) C1(5,275) C2(15,275) C3(25,275) C4(35,275) C5(45,275) C6(55,275) C7(65,275) C8(75,275) C9(85,275) C10(95,275) C11(105,275) C12(115,275) C13(125,275) C14(135,275) C15(145,275) C16(155,275) C17(165,275) C18(175,275) C19(185,275) C20(195,275) C21(205,275) C22(215,275) C23(225,275) C24(235,275) C25(245,275) C26(255,275) C27(265,275) C28(275,275) C29(285,275) C30(295,275) D1(5,265) D2(15,265) D3(25,265) D4(35,265) D5(45,265) D6(55,265) D7(65,265) D8(75,265) D9(85,265) D10(95,265) D11(105,265) D12(115,265) D13(125,265) D14(135,265) D15(145,265) D16(155,265) D17(165,265) D18(175,265) D19(185,265) D20(195,265) D21(205,265) D22(215,265) D23(225,265) D24(235,265) D25(245,265) D26(255,265) D27(265,265) D28(275,265) D29(285,265) D30(295,265) E1(5,255) E2(15,255) E3(25,255) E4(35,255) E5(45,255) E6(55,255) E7(65,255) E8(75,255) E9(85,255) E10(95,255) E11(105,255) E12(115,255) E13(125,255) E14(135,255) E15(145,255) E16(155,255) E17(165,255) E18(175,255) E19(185,255) E20(195,255) E21(205,255) E22(215,255) E23(225,255) E24(235,255) E25(245,255) E26(255,255) E27(265,255) E28(275,255) E29(285,255) E30(295,255) F1(5,245) F2(15,245) F3(25,245) F4(35,245) F5(45,245) F6(55,245) F7(65,245) F8(75,245) F9(85,245) F10(95,245) F11(105,245) F12(115,245) F13(125,245) F14(135,245) F15(145,245) F16(155,245) F17(165,245) F18(175,245) F19(185,245) F20(195,245) F21(205,245) F22(215,245) F23(225,245) F24(235,245) F25(245,245) F26(255,245) F27(265,245) F28(275,245) F29(285,245) F30(295,245) G1(5,235) G2(15,235) G3(25,235) G4(35,235) G5(45,235) G6(55,235) G7(65,235) G8(75,235) G9(85,235) G10(95,235) G11(105,235) G12(115,235) G13(125,235) G14(135,235) G15(145,235) G16(155,235) G17(165,235) G18(175,235) G19(185,235) G20(195,235) G21(205,235) G22(215,235) G23(225,235) G24(235,235) G25(245,235) G26(255,235) G27(265,235) G28(275,235) G29(285,235) G30(295,235) H1(5,225) H2(15,225) H3(25,225) H4(35,225) H5(45,225) H6(55,225) H7(65,225) H8(75,225) H9(85,225) H10(95,225) H11(105,225) H12(115,225) H13(125,225) H14(135,225) H15(145,225) H16(155,225) H17(165,225) H18(175,225) H19(185,225) H20(195,225) H21(205,225) H22(215,225) H23(225,225) H24(235,225) H25(245,225) H26(255,225) H27(265,225) H28(275,225) H29(285,225) H30(295,225) J1(5,215) J2(15,215) J3(25,215) J4(35,215) J5(45,215) J6(55,215) J7(65,215) J8(75,215) J9(85,215) J10(95,215) J11(105,215) J12(115,215) J13(125,215) J14(135,215) J15(145,215) J16(155,215) J17(165,215) J18(175,215) J19(185,215) J20(195,215) J21(205,215) J22(215,215) J23(225,215) J24(235,215) J25(245,215) J26(255,215) J27(265,215) J28(275,215) J29(285,215) J30(295,215) K1(5,205) K2(15,205) K3(25,205) K4(35,205) K5(45,205) K6(55,205) K7(65,205) K8(75,205) K9(85,205) K10(95,205) K11(105,205) K12(115,205) K13(125,205) K14(135,205) K15(145,205) K16(155,205) K17(165,205) K18(175,205) K19(185,205) K20(195,205) K21(205,205) K22(215,205) K23(225,205) K24(235,205) K25(245,205) K26(255,205) K27(265,205) K28(275,205) K29(285,205) K30(295,205) L1(5,195) L2(15,195) L3(25,195) L4(35,195) L5(45,195) L6(55,195) L7(65,195) L8(75,195) L9(85,195) L10(95,195) L11(105,195) L12(115,195) L13(125,195) L14(135,195) L15(145,195) L16(155,195) L17(165,195) L18(175,195) L19(185,195) L20(195,195) L21(205,195) L22(215,195) L23(225,195) L24(235,195) L25(245,195) L26(255,195) L27(265,195) L28(275,195) L29(285,195) L30(295,195) M1(5,185) M2(15,185) M3(25,185) M4(35,185) M5(45,185) M6(55,185) M7(65,185) M8(75,185) M9(85,185) M10(95,185) M11(105,185) M12(115,185) M13(125,185) M14(135,185) M15(145,185) M16(155,185) M17(165,185) M18(175,185) M19(185,185) M20(195,185) M21(205,185) M22(215,185) M23(225,185) M24(235,185) M25(245,185) M26(255,185) M27(265,185) M28(275,185) M29(285,185) M30(295,185) N1(5,175) N2(15,175) N3(25,175) N4(35,175) N5(45,175) N6(55,175) N7(65,175) N8(75,175) N9(85,175) N10(95,175) N11(105,175) N12(115,175) N13(125,175) N14(135,175) N15(145,175) N16(155,175) N17(165,175) N18(175,175) N19(185,175) N20(195,175) N21(205,175) N22(215,175) N23(225,175) N24(235,175) N25(245,175) N26(255,175) N27(265,175) N28(275,175) N29(285,175) N30(295,175) P1(5,165) P2(15,165) P3(25,165) P4(35,165) P5(45,165) P6(55,165) P7(65,165) P8(75,165) P9(85,165) P10(95,165) P11(105,165) P12(115,165) P13(125,165) P14(135,165) P15(145,165) P16(155,165) P17(165,165) P18(175,165) P19(185,165) P20(195,165) P21(205,165) P22(215,165) P23(225,165) P24(235,165) P25(245,165) P26(255,165) P27(265,165) P28(275,165) P29(285,165) P30(295,165) Q1(5,155) Q2(15,155) Q3(25,155) Q4(35,155) Q5(45,155) Q6(55,155) Q7(65,155) Q8(75,155) Q9(85,155) Q10(95,155) Q11(105,155) Q12(115,155) Q13(125,155) Q14(135,155) Q15(145,155) Q16(155,155) Q17(165,155) Q18(175,155) Q19(185,155) Q20(195,155) Q21(205,155) Q22(215,155) Q23(225,155) Q24(235,155) Q25(245,155) Q26(255,155) Q27(265,155) Q28(275,155) Q29(285,155) Q30(295,155) R1(5,145) R2(15,145) R3(25,145) R4(35,145) R5(45,145) R6(55,145) R7(65,145) R8(75,145) R9(85,145) R10(95,145) R11(105,145) R12(115,145) R13(125,145) R14(135,145) R15(145,145) R16(155,145) R17(165,145) R18(175,145) R19(185,145) R20(195,145) R21(205,145) R22(215,145) R23(225,145) R24(235,145) R25(245,145) R26(255,145) R27(265,145) R28(275,145) R29(285,145) R30(295,145) S1(5,135) S2(15,135) S3(25,135) S4(35,135) S5(45,135) S6(55,135) S7(65,135) S8(75,135) S9(85,135) S10(95,135) S11(105,135) S12(115,135) S13(125,135) S14(135,135) S15(145,135) S16(155,135) S17(165,135) S18(175,135) S19(185,135) S20(195,135) S21(205,135) S22(215,135) S23(225,135) S24(235,135) S25(245,135) S26(255,135) S27(265,135) S28(275,135) S29(285,135) S30(295,135) T1(5,125) T2(15,125) T3(25,125) T4(35,125) T5(45,125) T6(55,125) T7(65,125) T8(75,125) T9(85,125) T10(95,125) T11(105,125) T12(115,125) T13(125,125) T14(135,125) T15(145,125) T16(155,125) T17(165,125) T18(175,125) T19(185,125) T20(195,125) T21(205,125) T22(215,125) T23(225,125) T24(235,125) T25(245,125) T26(255,125) T27(265,125) T28(275,125) T29(285,125) T30(295,125) U1(5,115) U2(15,115) U3(25,115) U4(35,115) U5(45,115) U6(55,115) U7(65,115) U8(75,115) U9(85,115) U10(95,115) U11(105,115) U12(115,115) U13(125,115) U14(135,115) U15(145,115) U16(155,115) U17(165,115) U18(175,115) U19(185,115) U20(195,115) U21(205,115) U22(215,115) U23(225,115) U24(235,115) U25(245,115) U26(255,115) U27(265,115) U28(275,115) U29(285,115) U30(295,115) V1(5,105) V2(15,105) V3(25,105) V4(35,105) V5(45,105) V6(55,105) V7(65,105) V8(75,105) V9(85,105) V10(95,105) V11(105,105) V12(115,105) V13(125,105) V14(135,105) V15(145,105) V16(155,105) V17(165,105) V18(175,105) V19(185,105) V20(195,105) V21(205,105) V22(215,105) V23(225,105) V24(235,105) V25(245,105) V26(255,105) V27(265,105) V28(275,105) V29(285,105) V30(295,105) W1(5,95) W2(15,95) W3(25,95) W4(35,95) W5(45,95) W6(55,95) W7(65,95) W8(75,95) W9(85,95) W10(95,95) W11(105,95) W12(115,95) W13(125,95) W14(135,95) W15(145,95) W16(155,95) W17(165,95) W18(175,95) W19(185,95) W20(195,95) W21(205,95) W22(215,95) W23(225,95) W24(235,95) W25(245,95) W26(255,95) W27(265,95) W28(275,95) W29(285,95) W30(295,95) Y1(5,85) Y2(15,85) Y3(25,85) Y4(35,85) Y5(45,85) Y6(55,85) Y7(65,85) Y8(75,85) Y9(85,85) Y10(95,85) Y11(105,85) Y12(115,85) Y13(125,85) Y14(135,85) Y15(145,85) Y16(155,85) Y17(165,85) Y18(175,85) Y19(185,85) Y20(195,85) Y21(205,85) Y22(215,85) Y23(225,85) Y24(235,85) Y25(245,85) Y26(255,85) Y27(265,85) Y28(275,85) Y29(285,85) Y30(295,85) Z1(5,75) Z2(15,75) Z3(25,75) Z4(35,75) Z5(45,75) Z6(55,75) Z7(65,75) Z8(75,75) Z9(85,75) Z10(95,75) Z11(105,75) Z12(115,75) Z13(125,75) Z14(135,75) Z15(145,75) Z16(155,75) Z17(165,75) Z18(175,75) Z19(185,75) Z20(195,75) Z21(205,75) Z22(215,75) Z23(225,75) Z24(235,75) Z25(245,75) Z26(255,75) Z27(265,75) Z28(275,75) Z29(285,75) Z30(295,75)
REF3212_SOT23
  rect 1.067x0.61 smd: 1(-1.35,0.95) 2(-1.35,0) 3(-1.35,-0.95) 4(1.35,-0.95) 5(1.35,0) 6(1.35,0.95)
SC0402
  rect 0.635x0.508 smd: 1(-0.508,0) 2(0.508,0)
SC0603
  rect 0.813x0.889 smd: 1(-0.762,0) 2(0.762,0)
SC0805
  rect 1.016x1.143 smd: 1(-1.016,0) 2(1.016,0)
SC1206
  rect 1.397x1.651 smd: 1(-1.397,0) 2(1.397,0)
SD0805
  rect 1.016x1.27 smd: 1(-1.143,0) 2(1.143,0)
SIP-4P-156
  rect 2.794x2.794 hole 1.778: 1(-5.944,0)
  round 2.794 hole 1.778: 2(-1.981,0) 3(1.981,0) 4(5.944,0)
SL1812
  rect 1.524x3.175 smd: 1(-2.286,0) 2(2.286,0)
SMA_SMD
  rect 1.524x1.524 smd: 1(0,0)
  rect 1.905x1.905 smd: 2(2.375,2.375) 3(2.375,-2.375) 4(-2.375,-2.375) 5(-2.375,2.375)
SN74LV08A_TSSOP
  rect 1.676x0.356 smd: 1(-2.819,1.95) 2(-2.819,1.3) 3(-2.819,0.65) 4(-2.819,0) 5(-2.819,-0.65) 6(-2.819,-1.3) 7(-2.819,-1.95) 8(2.819,-1.95) 9(2.819,-1.3) 10(2.819,-0.65) 11(2.819,0) 12(2.819,0.65) 13(2.819,1.3) 14(2.819,1.95)
SR0402
  rect 0.635x0.508 smd: 1(-0.508,0) 2(0.508,0)
SR0603
  rect 0.762x0.813 smd: 1(-0.762,0) 2(0.762,0)
SR0603_1M
  rect 0.762x0.813 smd: 1(-0.762,0) 2(0.762,0)
STC3528
  rect 2.032x2.286 smd: 1(-1.651,0) 2(1.651,0)
TESTPAD
  rect 0.635x0.508 smd: 1(0,0)
TESTPADGND
  rect 1.016x1.016 smd: 1(0,0)
TLV5618_SOIC
  rect 1.575x0.61 smd: 1(-2.7,1.905) 2(-2.7,0.635) 3(-2.7,-0.635) 4(-2.7,-1.905) 5(2.7,-1.905) 6(2.7,-0.635) 7(2.7,0.635) 8(2.7,1.905)
TPS7A85
  oval 0.813x0.254 smd: 1(-1.75,1) 2(-1.75,0.5) 3(-1.75,0) 4(-1.75,-0.5) 5(-1.75,-1) 11(1.75,-1) 12(1.75,-0.5) 13(1.75,0) 14(1.75,0.5) 15(1.75,1)
  oval 0.254x0.813 smd: 6(-1,-1.75) 7(-0.5,-1.75) 8(0,-1.75) 9(0.5,-1.75) 10(1,-1.75) 16(1,1.75) 17(0.5,1.75) 18(0,1.75) 19(-0.5,1.75) 20(-1,1.75)
  rect 2.057x2.057 smd: 21(0,0)
TS5A3166DBVR_SOT23
  rect 1.067x0.61 smd: 1(-1.35,0.95) 2(-1.35,0) 3(-1.35,-0.95) 4(1.35,-0.95) 5(1.35,0.95)

## Nets
+5VIN: C1487.1 C1488.1 J55.2 J55.3 L1.1
